# Altium PCB DM3370.PcbDoc (part 7 of 9) (continued)
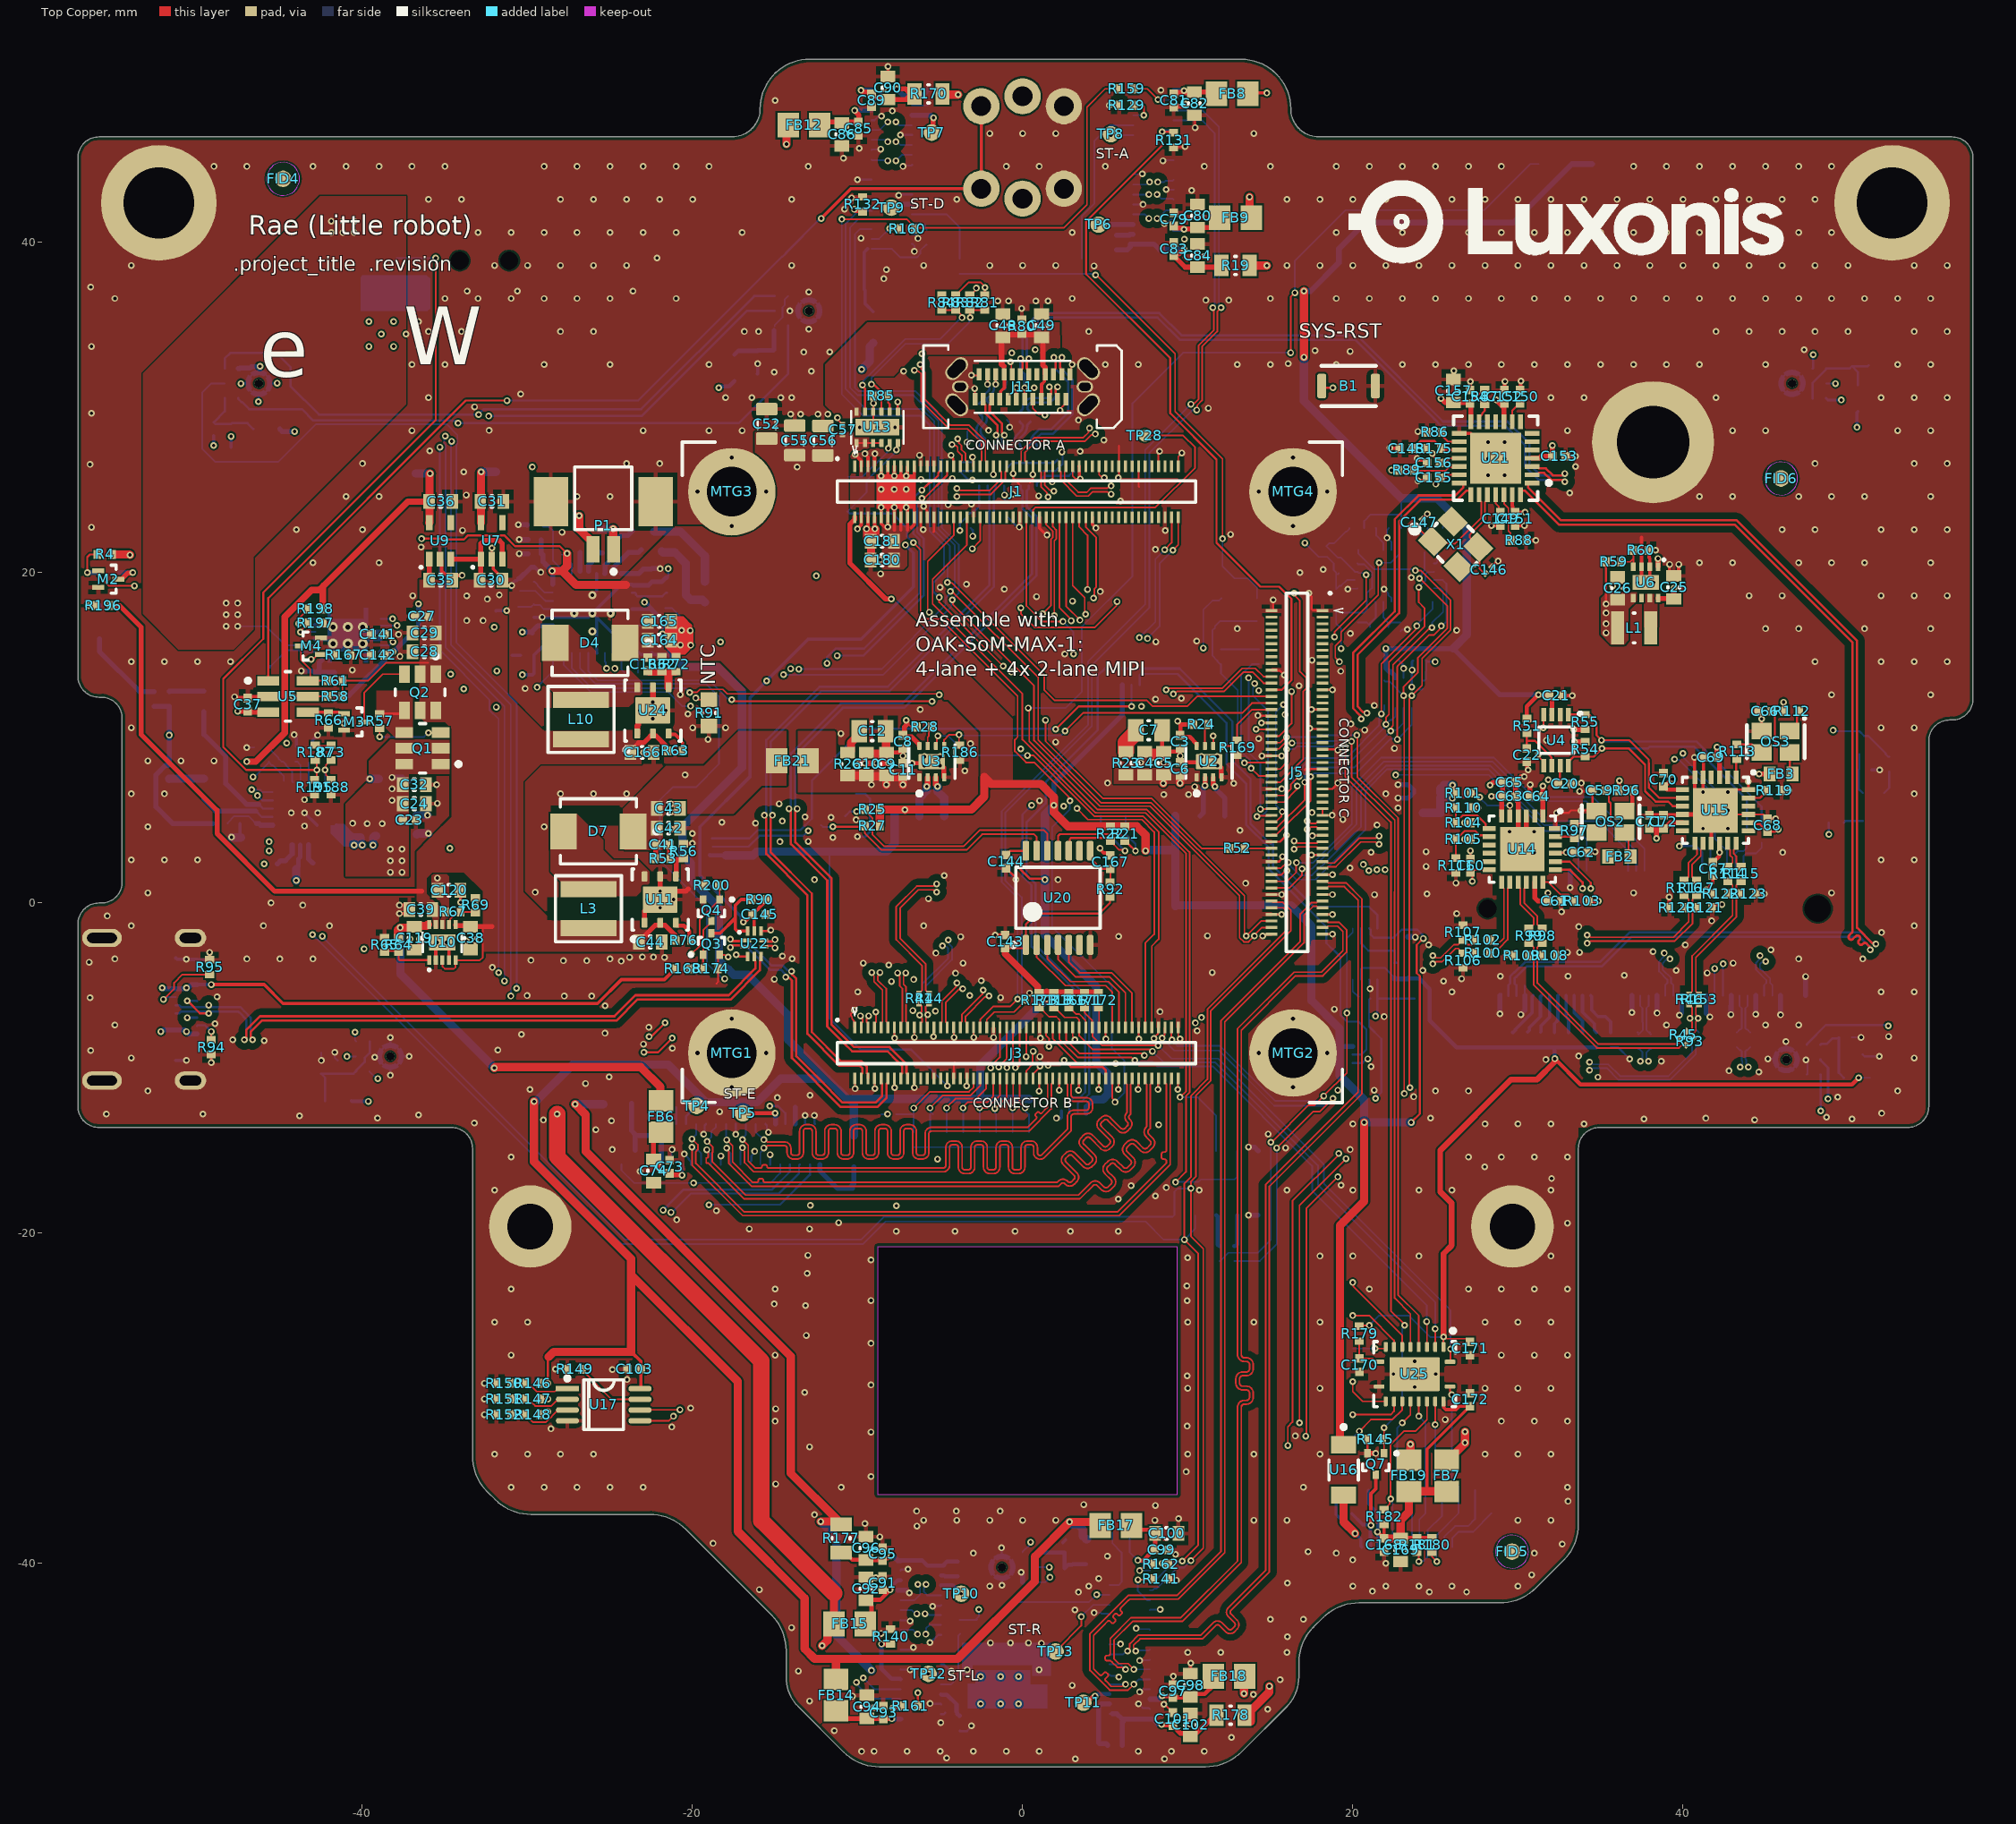
[diagram p0: Top Copper view]
## Nets (pads, with @x,y where several pads share a name; then routed paths per layer and width w, separated by ;. In a path a pad name is that pad's centre, name@x,y a point inside that pad or via, vN(x,y) a via of type N, cw(c..) or ccw(c..) an arc to the next point about the centre after c; other vN are vias at no path point) (continued)
NetR147_1: R147.1 R151.2 U17.2 | length 3.8
  Top Copper w0.102: R151.2@-30.975,-30.05 R147.1@-30.125,-30.05 -30.125,-30.1 -29.951,-30.274 -29.727,-30.274 -29.524,-30.478 -28.553,-30.478 U17.2@-28.1,-30.025 ; U17.2@-28.1,-30.075 U17.2@-27.575,-30.075
NetR148_1: R148.1 R152.2 U17.3 | length 3.9
  Top Copper w0.102: R152.2@-30.975,-31 R148.1@-30.125,-31 -30.125,-31.05 -29.951,-31.224 -29.901,-31.224 -29.675,-31.45 -28.875,-31.45 -28.614,-31.189 -28.606,-31.189 -28.397,-30.981 -28.397,-30.972 -28.15,-30.725 U17.3@-27.575,-30.725
NetR149_2: R149.2 U17.7 | length 4.3
  Top Copper w0.102: R149.2@-26.675,-28.25 -26.675,-28.3 -24.9,-30.075 U17.7@-23.175,-30.075
NetR158_1: R158.1 U23.4 | length 1.2
  Bottom Copper w0.102: U23.4@20,-4.65 20,-5.358 20.317,-5.675 R158.1@20.367,-5.675
NetR163_2: R163.2 U19.15 | length 1.4
  Bottom Copper w0.102: R163.2@-29.607,19.437 -29.557,19.437 -29.383,19.263 -29.383,19.213 -28.96,18.789 U19.15@-28.46,18.789
NetR164_2: R164.2 U19.14 | length 2.2
  Bottom Copper w0.102: R164.2@-30.457,18.887 -29.507,18.887 -29.057,18.437 -28.907,18.287 U19.14@-28.457,18.287
NetR165_2: R165.2 U19.26 | length 2.3
  Bottom Copper w0.127: U19.26@-23.657,18.787 -23.482,18.787 -23.421,18.725 -23.421,18.651 -23.342,18.572 -21.822,18.572 -21.607,18.787 R165.2@-21.557,18.787
NetR190_2: R190.2 U8.10 | length 1.1
  Bottom Copper w0.102: U8.10@-43.25,7.385 R190.2@-43.25,8.5
NetR197_2: R197.2 U18.10 | length 1.6
  Top Copper w0.102: v1(-43.75,16.4) -43.75,16.45 -43.474,16.726 -43.474,16.776 R197.2@-43.3,16.95
  Bottom Copper w0.102: v1(-43.75,16.4) U18.10@-42.85,16.4
NetTP25_1: TP25.1 U13.5 | length 3.6
  Top Copper w0.102: v1(-8.138,27.523) -8.08,27.581 -8.08,27.663 -8.05,27.693 U13.5@-8.05,27.85
  Bottom Copper w0.102: TP25.1@-10.6,25.8 -9.7,25.8 -8.196,27.304 -8.196,27.465 v1(-8.138,27.523)
NetTP36_1: TP36.1 U25.7 | length 5.1
  Top Copper w0.102: v1(20,-23) 20.05,-23.05 20.05,-23.25 23,-26.2 U25.7@23,-26.9
NetTP37_1: TP37.1 U25.14 | length 4.8
  Top Copper w0.102: v1(20.4,-32) 21.1,-31.3 22.4,-31.3 23,-30.7 U25.14@23,-30.2
  Bottom Copper w0.102: TP37.1@20,-33 20.01,-32.99 20.01,-32.39 v1(20.4,-32)
NetTP38_1: TP38.1 U25.8 | length 3.5
  Top Copper w0.102: v1(20,-25) 21,-25 22.5,-26.5 U25.8@22.5,-26.9
NetTP39_1: TP39.1 U25.13 | length 3.2
  Top Copper w0.102: v1(20,-31) 22.3,-31 22.5,-30.8 U25.13@22.5,-30.2
NetTP40_1: TP40.1 U25.9 | length 2.1
  Top Copper w0.102: v1(21.352,-27) 21.932,-27 22,-26.932 U25.9@22,-26.9
  Bottom Copper w0.102: TP40.1@20,-27 v1(21.352,-27)
NetTP41_1: TP41.1 U25.12 | length 2.8
  Top Copper w0.102: v1(20,-29) 20,-29.6 20.6,-30.2 U25.12@22,-30.2
NTC_2: R73.2 R91.2 R188.2 U8.12 | length 29
  Top Copper w0.102: R188.2@-41.9,7.45 -41.95,7.45 -42.124,7.624 -42.124,7.674 -42.201,7.751 -42.201,7.984 v1(-42.26,8.042) -42.201,8.1 -42.201,8.349 -42.124,8.426 -42.124,8.476 -41.95,8.65 R73.2@-41.9,8.65 ; v1(-19.8,12.4) -19.718,12.4 -19.618,12.3 R91.2@-19,12.3
  PWR w0.102: v1(-42.26,8.042) -41.6,8.701 -41.6,11.2 -40.308,12.492 -22.628,12.492 -22.567,12.553 -21.344,12.553 -21.046,12.255 -20.272,12.255 -20.149,12.378 -19.822,12.378 v1(-19.8,12.4)
  Bottom Copper w0.102: v1(-42.26,8.042) -42.255,8.037 -42.255,7.39 U8.12@-42.25,7.385
NTC_BAT: J2.2 R187.1 R195.2 U8.11 | length 45.7
  Top Copper w0.102: R195.2@-42.9,7.45 -42.755,7.595 v1(-42.755,8.045) -42.755,8.555 R187.1@-42.85,8.65
  Top Copper w0.127: v1(-42.755,8.045) -47.034,8.045 -48.421,9.431 -48.421,13.564 -46,15.985 -46,18.796 -35.55,29.246 v1(-35.55,39.05)
  Bottom Copper w0.102: v1(-42.755,8.045) -42.752,8.042 -42.752,7.387 U8.11@-42.75,7.385 ; J2.2@-38.05,38.9 -37.9,39.05 v1(-35.55,39.05)
OE_DIFF0: R101.2 U14.5 | length 3.4
  Top Copper w0.102: R101.2@27.172,6.7 27.24,6.632 27.468,6.632 v1(27.7,6.4) ; U14.5@29.525,5.25 v1(29.525,5.899)
  Bottom Copper w0.102: v1(27.7,6.4) 27.7,6.35 28.151,5.899 v1(29.525,5.899)
OE_DIFF1: R103.2 U14.18 | length 2.4
  Top Copper w0.102: U14.18@31.525,1.25 31.85,1.25 32.587,0.513 33.058,0.513 33.247,0.324 33.251,0.324 33.425,0.15 R103.2@33.425,0.1
OS_EN: OS2.1 R96.1 | length 1.5
  Top Copper w0.254: OS2.1@36.475,5.55 36.575,5.55 36.948,5.923 36.948,6.723 R96.1@37.025,6.8
OS_OUT: OS2.3 R97.1 | length 1.6
  Top Copper w0.127: R97.1@33.425,4.8 33.875,4.8 34.059,4.616 34.409,4.616 OS2.3@34.775,4.25
OS_VIN: C59.1 FB2.1 OS2.4 | length 4.6
  Top Copper w0.127: C59.1@35.325,6.8 35.522,6.603 35.522,6.137 35.625,6.033 35.625,5 36.375,4.25 OS2.4@36.475,4.25 36.715,4.01 FB2.1@36.715,2.85
OTG: R189.2 R191.2 U8.8 | length 2.8
  Bottom Copper w0.102: R191.2@-45.65,9.4 -45.65,9.35 -45.074,8.774 -45.074,8.724 -44.9,8.55 R189.2@-44.85,8.55 -44.8,8.55 -44.626,8.376 -44.626,8.326 -44.258,7.958 -44.258,7.358 U8.8@-44.2,7.3
P_CC1: J12.A5 R94.2 | length 1.5
  Top Copper w0.102: R94.2@-49.15,-8.3 v1(-49.15,-7.8)
  Bottom Copper w0.127: J12.A5@-50,-7.45 -49.966,-7.416 -49.534,-7.416 v1(-49.15,-7.8)
P_CC2: J12.B5 R95.2 | length 4.4
  Top Copper w0.102: v1(-52.05,-5.85) -51.4,-5.2 -51.4,-4.85 -50.9,-4.35 R95.2@-49.25,-4.35
  Bottom Copper w0.102: v1(-52.05,-5.85) -51.968,-5.85 -51.818,-5.7 J12.B5@-51.3,-5.7
P_USB_D_N: J12.A7 J12.B7 U22.4 | length 41.9
  Top Copper w0.14: v1@-50.55,-5.95 -50.55,-5.991 -49.843,-6.698 v1(-49.3,-6.698) ; v1(-47.145,-8.3) -47.031,-8.186 -47.031,-7.704 -46.199,-6.872 -24.722,-6.872 -23.45,-5.6 -17.8,-5.6 -16.183,-3.983 -16.183,-3.544 -16.207,-3.52 -16.207,-3.293 U22.4@-16.25,-3.25
  Bottom Copper w0.14: J12.B7@-51.3,-6.7 -51.1,-6.7 -50.984,-6.584 -50.425,-6.584 -49.414,-6.584 v1(-49.3,-6.698) -49.228,-6.698 -49.114,-6.584 -47.516,-6.584 -47.458,-6.642 -47.031,-7.069 -47.031,-8.114 -47.145,-8.228 v1(-47.145,-8.3) ; v1(-50.599,-5.942) -50.595,-5.946 -50.004,-5.946 J12.A7@-50,-5.95
P_USB_D_P: J12.A6 J12.B6 U22.5 | length 42.3
  Top Copper w0.14: v1(-46.65,-8.3) -46.764,-8.186 -46.764,-7.814 -46.089,-7.139 -24.611,-7.139 -23.339,-5.867 -17.689,-5.867 -15.916,-4.094 -15.916,-3.544 -15.893,-3.52 -15.893,-3.293 U22.5@-15.85,-3.25
  Signal Layer 1 w0.102: v1@-50.592,-6.95 -49.844,-6.202 v1(-49.3,-6.202)
  Bottom Copper w0.14: J12.B6@-51.3,-6.2 -51.1,-6.2 -50.984,-6.317 -50.535,-6.317 -49.414,-6.317 v1(-49.3,-6.202) -49.228,-6.202 -49.114,-6.317 -47.406,-6.317 -47.161,-6.561 -46.764,-6.958 -46.764,-8.114 -46.65,-8.228 v1(-46.65,-8.3) ; v1(-50.6,-6.958) -50.596,-6.954 -50.004,-6.954 J12.A6@-50,-6.95
P_VBUS: C139.1 J10.1 J12.A4 J12.A9 J12.B4 J12.B9 R168.1 TP43.1 U8.1 U8.24 | length 40.7
  Top Copper w0.2: v1(-49.15,-4.95) -45.95,-4.95 -44.8,-6.1 -25.75,-6.1 -24.3,-4.65 -21.7,-4.65 R168.1@-21.05,-4
  PWR w0.3: v1(-52.2,-7.8) v1(-50.65,-7.8) ; v1@-52.114,-5.155 v1@-50.655,-5.155
  GND 2 w0.3: v1(-52.2,-7.8) v1(-50.65,-7.8) ; v1(-52.119,-5.159) -52.114,-5.155 -50.655,-5.155 v1(-50.65,-5.15)
  Bottom Copper w0.2: J12.A9@-50,-4.95 v1(-49.15,-4.95)
  Bottom Copper w0.3: v1@-52.15,-5.2 J12.B4@-51.3,-5.2 -50.606,-5.2 -50.356,-4.95 J12.A9@-50,-4.95 ; v1@-52.05,-7.7 J12.B9@-51.3,-7.7 -50.75,-7.7 v1(-50.65,-7.8) -50.5,-7.95 J12.A4@-50,-7.95
  other v1: -2.542,-48.521 -1.333,-48.521 -0.242,-48.521 -2.542,-46.871 -1.333,-46.871 -0.242,-46.871 -45.95,2.35 -45.65,3.15 -45.65,3.7
PCIe1_KB_CLK_GEN_N: R102.1 U14.13 | length 4.6
  Top Copper w0.101: R102.1@28.325,-2.25 28.5,-2.424 28.5,-2.477 28.559,-2.536 28.767,-2.536 29.161,-2.142 29.161,0.864 29.025,1 U14.13@29.025,1.25
PCIe1_KB_CLK_GEN_P: R100.1 U14.14 | length 5
  Top Copper w0.101: R100.1@28.325,-3.05 28.5,-2.875 28.5,-2.823 28.559,-2.764 28.861,-2.764 29.389,-2.236 29.389,0.864 29.525,1 U14.14@29.525,1.25
PCIe1_KB_CLK_IN_N: R42.1 R102.2 R107.2 | length 37.4
  Top Copper w0.101: v1(24.85,-3.205) 24.928,-3.205 25.062,-3.338 25.327,-3.338 26.129,-2.536 26.391,-2.536 26.451,-2.477 26.451,-2.424 26.625,-2.25 R107.2@26.675,-2.25 26.725,-2.25 26.9,-2.424 26.9,-2.477 26.959,-2.536 27.191,-2.536 27.25,-2.477 27.25,-2.424 R102.2@27.425,-2.25
  PWR w0.101: v1(-4.5,-2.25) -4.441,-2.308 -4.441,-2.474 -4.276,-2.639 23.608,-2.639 24.291,-3.322 24.65,-3.322 24.767,-3.205 v1(24.85,-3.205)
  Bottom Copper w0.101: R42.1@-5.675,-5.5 -5.8,-5.376 -5.802,-5.376 -5.861,-5.316 -5.861,-5.033 -4.277,-3.449 -4.277,-2.662 -4.444,-2.494 -4.444,-2.305 v1(-4.5,-2.25)
PCIe1_KB_CLK_IN_P: R40.1 R100.2 R106.1 | length 37.5
  Top Copper w0.101: v1(24.85,-3.7) 24.928,-3.7 25.062,-3.566 25.422,-3.566 26.224,-2.764 26.391,-2.764 26.451,-2.823 26.451,-2.875 26.625,-3.05 R106.1@26.675,-3.05 26.725,-3.05 26.9,-2.875 26.9,-2.823 26.959,-2.764 27.191,-2.764 27.25,-2.823 27.25,-2.875 R100.2@27.425,-3.05
  PWR w0.101: v1(-4.85,-2.6) -4.792,-2.658 -4.626,-2.658 -4.384,-2.9 23.5,-2.9 24.183,-3.583 24.65,-3.583 24.767,-3.7 v1(24.85,-3.7)
  Bottom Copper w0.101: R40.1@-6.275,-5.5 -6.15,-5.376 -6.148,-5.376 -6.089,-5.316 -6.089,-4.939 -4.505,-3.355 -4.505,-2.756 -4.606,-2.655 -4.795,-2.655 v1(-4.85,-2.6)
PCIe1_WIFI_CLK_GEN_N: R99.1 U14.15 | length 3.2
  Top Copper w0.101: U14.15@30.025,1.156 30.025,1 30.161,0.864 30.161,-0.108 30.961,-0.908 30.961,-1.316 30.902,-1.376 30.85,-1.376 R99.1@30.675,-1.55
PCIe1_WIFI_CLK_GEN_P: R98.1 U14.16 | length 3.3
  Top Copper w0.101: U14.16@30.525,1.25 30.525,1 30.389,0.864 30.389,-0.014 31.189,-0.814 31.189,-1.316 31.248,-1.376 31.301,-1.376 R98.1@31.475,-1.55
PCIe1_WIFI_CLK_IN_N: R93.1 R99.2 R109.2 | length 13.8
  Top Copper w0.101: R99.2@30.675,-2.45 30.85,-2.625 30.902,-2.625 30.961,-2.684 30.961,-2.916 30.902,-2.976 30.85,-2.976 30.675,-3.15 R109.2@30.675,-3.2 30.675,-3.25 30.85,-3.425 30.902,-3.425 30.961,-3.484 30.961,-4.958 34.793,-8.79 39.771,-8.79 39.949,-8.612 R93.1@40.188,-8.612
PCIe1_WIFI_CLK_IN_P: R45.1 R98.2 R108.2 | length 13.3
  Top Copper w0.101: R98.2@31.475,-2.45 31.301,-2.625 31.248,-2.625 31.189,-2.684 31.189,-2.916 31.248,-2.976 31.301,-2.976 31.475,-3.15 R108.2@31.475,-3.2 31.475,-3.25 31.301,-3.425 31.248,-3.425 31.189,-3.484 31.189,-4.864 34.887,-8.562 39.676,-8.562 39.788,-8.451 R45.1@39.788,-8.212
PCIe2_KB_CLK_GEN_N: R117.1 U15.14 | length 2.7
  Top Copper w0.101: R117.1@40.825,1.35 40.775,1.35 40.564,1.561 40.564,2.319 41.089,2.844 41.089,3.214 41.225,3.35 U15.14@41.225,3.6
PCIe2_KB_CLK_GEN_P: R116.1 U15.13 | length 2.7
  Top Copper w0.101: R116.1@40.075,1.35 40.125,1.35 40.336,1.561 40.336,2.414 40.861,2.939 40.861,3.214 40.725,3.35 U15.13@40.725,3.6
PCIe2_KB_CLK_IN_N: R44.1 R117.2 R121.2 | length 58.9
  Top Copper w0.101: R44.1@-5.675,-5.5 -5.8,-5.376 -5.802,-5.376 -5.861,-5.316 -5.861,-3.706 -7.422,-2.145 -7.422,-0.322 -6.316,0.784 -5.412,0.784 -5.389,0.761 -5.278,0.65 v1(-5.2,0.65) ; v1(34.2,-2.45) 34.278,-2.45 34.412,-2.316 39.518,-2.316 40.589,-1.245 40.589,-0.584 40.648,-0.524 40.701,-0.524 40.875,-0.35 R121.2@40.875,-0.3 40.875,-0.25 40.701,-0.075 40.648,-0.075 40.589,-0.016 40.589,0.216 40.601,0.228 40.601,0.275 40.775,0.45 R117.2@40.825,0.45
  PWR w0.101: v1(-5.2,0.65) -5.142,0.708 -4.876,0.708 -4.818,0.767 -4.717,0.767 -4.388,0.439 13.977,0.439 14.513,0.975 25.306,0.975 28.614,-2.333 34,-2.333 34.117,-2.45 v1(34.2,-2.45)
PCIe2_KB_CLK_IN_P: R41.1 R116.2 R120.1 | length 58.9
  Top Copper w0.101: R41.1@-6.275,-5.5 -6.15,-5.376 -6.148,-5.376 -6.089,-5.316 -6.089,-3.8 -7.65,-2.239 -7.65,-0.228 -6.411,1.012 -5.412,1.012 -5.278,1.145 v1(-5.2,1.145) ; v1(34.2,-1.955) 34.278,-1.955 34.412,-2.088 39.424,-2.088 40.361,-1.151 40.361,-0.584 40.302,-0.524 40.25,-0.524 40.075,-0.35 R120.1@40.075,-0.3 40.075,-0.25 40.25,-0.075 40.302,-0.075 40.361,-0.016 40.361,0.214 40.125,0.45 R116.2@40.075,0.45
  PWR w0.101: v1(-5.2,1.145) -4.726,1.145 -4.28,0.7 13.869,0.7 14.405,1.236 25.414,1.236 28.722,-2.072 34,-2.072 34.117,-1.955 v1(34.2,-1.955)
PCIe2_WIFI_CLK_GEN_N: R115.1 U15.18 | length 1.7
  Top Copper w0.101: U15.18@43.225,3.6 43.225,3.35 43.089,3.214 43.089,2.971 43.239,2.821 43.239,2.434 43.298,2.375 43.35,2.375 R115.1@43.525,2.2
PCIe2_WIFI_CLK_GEN_P: R114.1 U15.17 | length 1.7
  Top Copper w0.101: R114.1@42.725,2.2 42.899,2.375 42.952,2.375 43.011,2.434 43.011,2.726 42.861,2.876 42.861,3.214 42.725,3.35 U15.17@42.725,3.6
PCIe2_WIFI_CLK_IN_N: R115.2 R123.2 R153.1 | length 8.4
  Top Copper w0.101: R153.1@40.975,-5.55 40.85,-5.426 40.848,-5.426 40.789,-5.366 40.789,-3.311 43.239,-0.861 43.239,0.266 43.298,0.326 43.351,0.326 43.525,0.5 R123.2@43.525,0.55 43.525,0.6 43.351,0.775 43.298,0.775 43.239,0.834 43.239,1.066 43.298,1.125 43.35,1.125 R115.2@43.525,1.3
PCIe2_WIFI_CLK_IN_P: R46.1 R114.2 R122.2 | length 8.4
  Top Copper w0.101: R46.1@40.375,-5.55 40.499,-5.426 40.502,-5.426 40.561,-5.366 40.561,-3.217 43.011,-0.767 43.011,0.266 42.952,0.326 42.9,0.326 42.725,0.5 R122.2@42.725,0.55 42.725,0.6 42.9,0.775 42.952,0.775 43.011,0.834 43.011,1.066 42.952,1.125 42.899,1.125 R114.2@42.725,1.3
PCIe_3V3_CLKREQ: J1.66 J9.53 | length 61
  Top Copper w0.102: J1.66@2.632,23.359 2.632,17.968 v1(3.481,17.119)
  PWR w0.102: v1(3.481,17.119) 30.343,17.119 36.9,10.562 36.9,1.45 41.925,-3.575 v1(41.925,-3.975)
  Bottom Copper w0.102: J9.53@41.925,-5.625 v1(41.925,-3.975)
PCIe_3V3_PERST: J1.64 J9.52 | length 55.3
  Top Copper w0.102: J1.64@2.232,23.359 2.232,22.676 2.239,22.669 2.239,17.871 2.943,17.167 v1(2.943,17.085)
  PWR w0.102: v1(2.943,17.085) 2.943,17.146 3.404,17.607 3.455,17.607 3.678,17.83 3.973,17.83 4.196,17.607 30.955,17.607 39.5,9.062 v1(39.5,8.7)
  Bottom Copper w0.102: v1(39.5,8.7) 39.538,8.662 39.767,8.662 41.581,6.847 41.581,6.842 41.675,6.748 J9.52@41.675,1.925
PCIe_3V3_PEWAKE0: J1.68 J9.55 | length 60.9
  Top Copper w0.102: J1.68@3.032,23.359 3.032,19.214 3.769,18.478 3.769,17.532 v1(3.826,17.475)
  PWR w0.102: v1(3.826,17.475) 3.908,17.475 4.038,17.344 30.613,17.344 37.35,10.607 37.35,1.4 v1(42.45,-3.7)
  Bottom Copper w0.102: J9.55@42.425,-5.625 42.437,-5.613 42.437,-3.712 v1(42.45,-3.7)
PCIE_CLK_N: J3.23 R42.2 R44.2 | length 2.5
  Top Copper w0.101: J3.23@-5.768,-7.561 -5.768,-7.301 -5.854,-7.215 -5.854,-6.974 -5.744,-6.864 v1(-5.744,-6.781) -5.744,-6.703 -5.877,-6.569 -5.877,-6.3 -5.802,-6.225 -5.8,-6.225 R44.2@-5.675,-6.1
  Bottom Copper w0.101: v1(-5.744,-6.781) -5.744,-6.703 -5.877,-6.569 -5.877,-6.3 -5.802,-6.225 -5.8,-6.225 R42.2@-5.675,-6.1
PCIE_CLK_P: J3.21 R40.2 R41.2 | length 2.5
  Top Copper w0.101: R41.2@-6.275,-6.1 -6.105,-6.27 -6.105,-6.589 -6.239,-6.722 v1(-6.239,-6.801) -6.239,-6.856 -6.082,-7.013 -6.082,-7.215 -6.168,-7.301 J3.21@-6.168,-7.561
  Bottom Copper w0.101: R40.2@-6.275,-6.1 -6.105,-6.27 -6.105,-6.589 -6.239,-6.722 v1(-6.239,-6.801)
PCIE_CRX0_N: J3.11 J9.43 | length 58.6
  Top Copper w0.101: v1(-8.639,-4.221) -8.639,-4.299 -8.772,-4.433 -8.772,-4.68 -8.254,-5.199 -8.254,-7.215 -8.168,-7.301 J3.11@-8.168,-7.561
  PWR w0.101: v1(-8.639,-4.221) -8.639,-4.139 -8.756,-4.021 -8.756,-3.428 -5.827,-0.5 14.389,-0.5 14.658,-0.231 24.656,-0.231 28.236,-3.811 37.5,-3.811 37.905,-3.811 cw(c37.905,-3.917) 38.011,-3.917 38.011,-3.981 ccw(c38.118,-3.981) 38.118,-4.087 38.259,-4.087 ccw(c38.259,-3.981) 38.366,-3.981 38.366,-3.917 cw(c38.472,-3.917) 38.472,-3.811 38.648,-3.811 38.85,-3.609 39.001,-3.458 39.167,-3.458 v1(39.225,-3.4)
  Bottom Copper w0.101: v1(39.225,-3.4) 39.17,-3.455 38.981,-3.455 38.784,-3.652 38.784,-4.059 39.289,-4.564 39.289,-4.864 39.425,-5 J9.43@39.425,-5.625
PCIE_CRX0_P: J3.9 J9.41 | length 58.6
  Top Copper w0.101: v1(-9.134,-4.221) -9.134,-4.299 -9,-4.433 -9,-4.775 -8.482,-5.293 -8.482,-7.215 -8.568,-7.301 J3.9@-8.568,-7.561
  PWR w0.101: v1(-9.134,-4.221) -9.134,-4.139 -9.017,-4.021 -9.017,-3.32 -5.936,-0.239 14.281,-0.239 14.55,0.03 24.764,0.03 28.344,-3.55 37.5,-3.55 38.54,-3.55 38.816,-3.274 38.816,-3.108 v1(38.875,-3.05)
  Bottom Copper w0.101: v1(38.875,-3.05) 38.819,-3.105 38.819,-3.294 38.556,-3.557 38.556,-4.154 39.061,-4.658 39.061,-4.864 38.925,-5 J9.41@38.925,-5.625
PCIE_CRX1_N: J3.17 J9.67 | length 62.8
  Top Copper w0.101: v1(-7.075,-4.25) -7.075,-4.328 -7.209,-4.462 -7.209,-4.944 -7.054,-5.099 -7.054,-7.215 -6.968,-7.301 J3.17@-6.968,-7.561
  PWR w0.101: v1(-7.075,-4.25) -7.075,-4.167 -7.192,-4.05 -7.192,-3.576 -5.042,-1.426 24.504,-1.426 28.539,-5.461 42.949,-5.461 43.705,-4.705 43.991,-4.419 cw(c44.066,-4.494) 44.142,-4.419 44.187,-4.464 ccw(c44.262,-4.388) 44.337,-4.464 44.437,-4.363 ccw(c44.362,-4.288) 44.437,-4.213 44.392,-4.168 cw(c44.467,-4.093) 44.392,-4.018 44.68,-3.73 44.801,-3.609 44.967,-3.609 v1(45.025,-3.55)
  Bottom Copper w0.101: v1(45.025,-3.55) 44.97,-3.606 44.781,-3.606 44.67,-3.717 44.67,-3.971 45.289,-4.59 45.289,-4.864 45.425,-5 J9.67@45.425,-5.625
PCIE_CRX1_P: J3.15 J9.65 | length 62.8
  Top Copper w0.101: v1(-7.57,-4.25) -7.57,-4.328 -7.437,-4.462 -7.437,-5.038 -7.282,-5.193 -7.282,-7.215 -7.368,-7.301 J3.15@-7.368,-7.561
  PWR w0.101: v1(-7.57,-4.25) -7.57,-4.167 -7.453,-4.05 -7.453,-3.468 -5.15,-1.165 24.612,-1.165 28.647,-5.2 42.841,-5.2 44.617,-3.424 44.617,-3.258 v1(44.675,-3.2)
  Bottom Copper w0.101: v1(44.675,-3.2) 44.62,-3.255 44.62,-3.444 44.442,-3.622 44.442,-4.066 45.061,-4.685 45.061,-4.864 44.925,-5 J9.65@44.925,-5.625
PCIE_CTX0_N: J3.27 R38.1 | length 49.8
  Top Copper w0.101: J3.27@-4.968,-7.561 -4.968,-7.301 -4.882,-7.215 -4.882,-5.946 -4.031,-5.094 -4.031,-4.905 v1(-3.975,-4.85)
  PWR w0.101: v1(-3.975,-4.85) -3.917,-4.791 -3.751,-4.791 -2.549,-3.589 23.064,-3.589 26.965,-7.49 37.215,-7.49 37.803,-8.078 37.803,-9.4 37.92,-9.517 v1(37.92,-9.6)
  Bottom Copper w0.101: v1(37.92,-9.6) 37.92,-9.522 37.787,-9.388 37.787,-9.088 38.025,-8.85 R38.1@38.075,-8.85
PCIE_CTX0_P: J3.29 R37.1 | length 49.8
  Top Copper w0.101: J3.29@-4.568,-7.561 -4.568,-7.301 -4.654,-7.215 -4.654,-6.04 -3.869,-5.255 -3.68,-5.255 v1(-3.625,-5.2)
  PWR w0.101: v1(-3.625,-5.2) -3.567,-5.142 -3.567,-4.976 -2.441,-3.85 22.956,-3.85 26.857,-7.751 37.107,-7.751 37.356,-8 37.542,-8.186 37.542,-8.352 cw(c37.436,-8.352) 37.436,-8.458 37.149,-8.458 ccw(c37.149,-8.564) 37.043,-8.564 37.043,-8.706 ccw(c37.149,-8.706) 37.149,-8.812 37.436,-8.812 cw(c37.436,-8.919) 37.542,-8.919 37.542,-9.15 37.542,-9.4 37.425,-9.517 v1(37.425,-9.6)
  Bottom Copper w0.101: R37.1@37.297,-8.851 37.347,-8.851 37.559,-9.062 37.559,-9.388 37.425,-9.522 v1(37.425,-9.6)
PCIE_CTX1_N: J3.33 R50.1 | length 54.8
  Top Copper w0.101: J3.33@-3.768,-7.561 -3.768,-7.301 -3.682,-7.215 -3.682,-6.785 -2.436,-5.539 -2.436,-5.35 v1(-2.381,-5.294)
  PWR w0.101: v1(-2.381,-5.294) -2.322,-5.236 -2.157,-5.236 -1.51,-4.589 22.564,-4.589 26.563,-8.588 34.935,-8.588 36.869,-10.521 39.184,-10.521 40.83,-8.876 43.402,-8.876 43.858,-9.332 43.858,-9.75 43.975,-9.867 v1(43.975,-9.95)
  Bottom Copper w0.101: v1(43.975,-9.95) 43.975,-9.872 43.841,-9.738 43.841,-9.501 43.789,-9.449 43.789,-8.984 43.848,-8.925 43.901,-8.925 R50.1@44.075,-8.75
PCIE_CTX1_P: J3.35 R48.1 | length 54.6
  Top Copper w0.101: J3.35@-3.368,-7.561 -3.368,-7.301 -3.454,-7.215 -3.454,-6.879 -2.275,-5.7 -2.086,-5.7 v1(-2.03,-5.645)
  PWR w0.101: v1(-2.03,-5.645) -1.972,-5.586 -1.972,-5.42 -1.402,-4.85 -0.7,-4.85 -0.346,-4.85 cw(c-0.346,-4.951) -0.245,-4.951 -0.245,-5.013 ccw(c-0.154,-5.013) -0.154,-5.104 -0.032,-5.104 ccw(c-0.032,-5.013) 0.059,-5.013 0.059,-4.951 cw(c0.16,-4.951) 0.16,-4.85 0.55,-4.85 22.456,-4.85 26.455,-8.849 34.827,-8.849 36.761,-10.782 39.293,-10.782 40.938,-9.137 42.25,-9.137 42.604,-9.137 cw(c42.604,-9.238) 42.705,-9.238 42.705,-9.3 ccw(c42.796,-9.3) 42.796,-9.391 42.918,-9.391 ccw(c42.918,-9.3) 43.009,-9.3 43.009,-9.238 cw(c43.11,-9.238) 43.11,-9.137 43.294,-9.137 43.4,-9.243 43.597,-9.44 43.597,-9.75 43.48,-9.867 v1(43.48,-9.95)
  Bottom Copper w0.101: R48.1@43.275,-8.75 43.45,-8.925 43.502,-8.925 43.561,-8.984 43.561,-9.543 43.613,-9.595 43.613,-9.738 43.48,-9.872 v1(43.48,-9.95)
PCIe_PERST: J5.74 R52.2 | length 1.6
  Top Copper w0.102: R52.2@13.45,3.299 J5.74@15.092,3.299
PCIE_RC_REF_CLK_N: J3.5 R77.1 | length 56.7
  Top Copper w0.101: J3.5@-9.368,-7.561 -9.368,-7.301 -9.454,-7.215 -9.454,-7.059 -9.325,-6.93 v1(-9.325,-6.85)
  PWR w0.101: v1(-9.325,-6.85) -9.325,-6.767 -9.442,-6.65 -9.442,-6.436 -8.853,-5.847 -5.053,-5.847 -4.039,-6.861 4.789,-6.861 5.75,-5.9 22.025,-5.9 26.87,-10.744 32.775,-10.744 33.491,-10.028 34.15,-10.028 34.267,-10.145 v1(34.35,-10.145)
  Bottom Copper w0.101: v1(34.35,-10.145) 34.428,-10.145 34.562,-10.012 35.389,-10.012 36.106,-10.728 39.219,-10.728 40.789,-9.158 40.789,-8.634 40.848,-8.575 40.85,-8.575 R77.1@40.975,-8.45
PCIE_RC_REF_CLK_P: J3.3 R75.1 | length 56.8
  Top Copper w0.101: v1(-9.82,-6.85) -9.82,-6.921 -9.682,-7.059 -9.682,-7.215 -9.768,-7.301 J3.3@-9.768,-7.561
  PWR w0.101: v1(-9.82,-6.85) -9.82,-6.767 -9.703,-6.65 -9.703,-6.328 -8.961,-5.586 -4.945,-5.586 -3.931,-6.6 4.681,-6.6 5.642,-5.639 22.133,-5.639 26.978,-10.483 32.667,-10.483 33.383,-9.767 34.15,-9.767 34.267,-9.65 v1(34.35,-9.65)
  Bottom Copper w0.101: v1(34.35,-9.65) 34.428,-9.65 34.562,-9.784 35.484,-9.784 36.2,-10.5 39.125,-10.5 40.561,-9.064 40.561,-8.634 40.502,-8.575 40.5,-8.575 R75.1@40.375,-8.45
PCIe_W_CLK_IN_N: J9.49 R77.2 R93.2 R153.2 | length 4.7
  Top Copper w0.101: R93.2@40.612,-8.188 40.612,-8.074 cw(c40.914,-8.074) 40.625,-7.988 cw(c40.914,-8.074) 40.701,-7.861 ccw(c40.487,-7.647) 40.789,-7.647 40.789,-7.212 40.923,-7.078 v1(40.923,-7) 40.923,-6.922 40.789,-6.788 40.789,-6.334 40.848,-6.275 40.85,-6.275 R153.2@40.975,-6.15
  Bottom Copper w0.101: J9.49@40.925,-5.625 40.925,-6.25 40.789,-6.386 40.789,-6.788 40.923,-6.922 v1(40.923,-7) 40.923,-7.078 40.789,-7.212 40.789,-7.666 40.848,-7.726 40.85,-7.726 R77.2@40.975,-7.85
PCIe_W_CLK_IN_P: J9.47 R45.2 R46.2 R75.2 | length 4.6
  Top Copper w0.101: R45.2@40.212,-7.788 40.373,-7.788 ccw(c40.373,-7.6) 40.506,-7.733 ccw(c40.373,-7.6) 40.561,-7.6 40.561,-7.212 40.427,-7.078 v1(40.427,-7) 40.427,-6.922 40.561,-6.788 40.561,-6.334 40.502,-6.275 40.499,-6.275 R46.2@40.375,-6.15 ; R46.2@40.325,-6.15 R46.2@40.35,-6.175
  Bottom Copper w0.101: R75.2@40.375,-7.85 40.5,-7.726 40.502,-7.726 40.561,-7.666 40.561,-7.212 40.427,-7.078 v1(40.427,-7) 40.427,-6.922 40.561,-6.788 40.561,-6.386 40.425,-6.25 J9.47@40.425,-5.625
PET0_N: J9.37 R38.2 | length 2.6
  Bottom Copper w0.101: J9.37@37.925,-5.625 37.925,-6.25 37.789,-6.386 37.789,-7.131 37.8,-7.141 37.8,-7.725 38.025,-7.95 R38.2@38.075,-7.95 ; R38.2@37.975,-7.85 R38.2@38.025,-7.85
PET0_P: J9.35 R37.2 | length 2.6
  Bottom Copper w0.101: R37.2@37.247,-7.851 R37.2@37.297,-7.851 ; R37.2@37.297,-7.951 37.347,-7.951 37.572,-7.726 37.572,-7.236 37.561,-7.225 37.561,-6.386 37.425,-6.25 J9.35@37.425,-5.625
PET1_N: J9.61 R50.2 | length 2.4
  Bottom Copper w0.101: J9.61@43.925,-5.625 43.925,-6.25 43.789,-6.386 43.789,-7.616 43.848,-7.676 43.901,-7.676 R50.2@44.075,-7.85
PET1_P: J9.59 R48.2 | length 2.4
  Bottom Copper w0.101: R48.2@43.275,-7.85 43.45,-7.676 43.502,-7.676 43.561,-7.616 43.561,-6.386 43.425,-6.25 J9.59@43.425,-5.625
PLLFILT: C149.2 U21.25 | length 1.1
  Top Copper w0.102: U21.25@28.65,24.65 28.671,24.629 28.671,24.179 28.847,24.003 28.847,23.753 C149.2@28.95,23.65
PSEL: R193.2 R194.2 U8.2 | length 3.1
  Bottom Copper w0.102: R193.2@-48.15,4.8 -48.15,4.85 -47.75,5.25 -46.9,5.25 -46.55,4.9 R194.2@-46.4,4.9
  Bottom Copper w0.3: R194.2@-46.4,4.8 -46.25,4.8 -46.15,4.7 U8.2@-45.435,4.7
PWDNB: J13.28 TP4.1 | length 1.4
  Bottom Copper w0.127: J13.28@-20.375,-13.4 -20.375,-12.925 v1(-19.752,-12.302)
PWM_0: J5.32 R169.1 U2.5 | length 4.5
  Top Copper w0.102: 12.268,9.482 12.068,9.482 U2.5@12.05,9.5 12.6,9.5 12.95,9.85 R169.1@13,9.85 13,10.8 13.9,11.7 J5.32@14.838,11.7
PWM_1: J5.30 R186.1 U3.5 | length 22.1
  Top Copper w0.102: U3.5@-4.75,9.5 -4.75,9.868 -4.437,10.182 v1(-3.85,10.182) -3.85,9.4 R186.1@-3.8,9.35 ; v1@2.52,10.357 3.663,11.5 13.3,11.5 13.899,12.099 J5.30@15.092,12.099
  Bottom Copper w0.102: v1(-3.85,10.182) -3.801,10.133 2.324,10.133 2.569,10.377 v1(2.569,10.406)
PWR_LCD: C168.2 C169.2 C172.2 FB7.2 FB19.2 J18.11 R180.2 R181.2 R182.2 TP24.1 U25.19 | length 21.8
  Top Copper w0.2: v1(21.5,-38.1) C168.2@21.9,-38.5 R182.2@21.9,-37.65 ; C169.2@22.9,-38.5 22.95,-38.45 R181.2@23.9,-38.45 R180.2@24.8,-38.45 ; 24.383,-35.65 24.5,-35.533 24.5,-33.1 C172.2@27.1,-30.5 26.469,-30.5 26.269,-30.7 25.637,-30.7 25.52,-30.583 25.52,-30.22 U25.19@25.5,-30.2 ; FB7.2@25.7,-35.65 FB7.2@25.8,-35.65
  Top Copper w0.5: C168.2@21.9,-38.5 C169.2@22.9,-38.5 22.9,-37.4 23.4,-36.9 FB19.2@23.4,-35.65 24.383,-35.65 FB7.2@25.7,-35.65
  Bottom Copper w0.2: TP24.1@20.95,-35.6 20.95,-36.4 21.537,-36.987 21.537,-38.1 J18.11@21.537,-39.022
REF_CLK_SS0: R104.2 R110.1 U14.7 | length 3.5
  Top Copper w0.127: R104.2@26.25,4.85 R110.1@26.25,5.75 ; R104.2@26.275,4.907 26.275,4.925 26.412,5.061 26.43,5.061 26.668,5.3 27.525,5.3 28.059,4.766 28.059,4.586 28.145,4.5 U14.7@28.275,4.5
REF_CLK_SS1: R105.2 R111.1 U14.8 | length 3.6
  Top Copper w0.127: R105.2@26.25,3.85 26.25,2.75 R111.1@26.3,2.7 ; R105.2@26.275,3.85 26.275,3.9 26.437,4.062 26.487,4.062 26.775,4.35 27.425,4.35 27.689,4.086 28.189,4.086 U14.8@28.275,4
REGN: C161.2 R73.1 R187.2 U8.22 | length 13.9
  Top Copper w0.102: R187.2@-42.85,9.55 -42.836,9.536 -42.611,9.536 -42.575,9.5 -41.95,9.5 R73.1@-41.9,9.55 ; -42.574,9.5 -42.574,9.224 v1(-42.55,9.2)
  Signal Layer 1 w0.5: v1(-44,1.352) -44,4.15 -45.1,5.25 -45.1,8.35 -44.271,9.179 -42.571,9.179 v1(-42.55,9.2)
  Bottom Copper w0.27: C161.2@-44,2.05 -43.878,2.172 -43.878,2.647 -43.755,2.77 -43.755,3.51 U8.22@-43.75,3.515
  Bottom Copper w0.5: v1(-44,1.352) C161.2@-44,2.05
RESET: C148.2 R175.1 U21.17 | length 3.4
  Top Copper w0.127: C148.2@23.65,27.5 24.111,27.961 24.957,27.961 25.347,27.571 R175.1@25.347,27.521 ; R175.1@25.3,27.45 25.3,27.35 25.377,27.427 U21.17@26.452,27.427
RESET_LCD: J5.44 U25.6 | length 43.2
  Top Copper w0.102: J5.44@15.092,9.299 15.116,9.323 15.52,9.323 15.873,9.676 v1(16.323,9.676) ; v1(19.928,9.774) 19.926,9.772 19.926,7.624 22.55,5 22.55,0.662 22.546,0.658 22.546,-23.946 23.5,-24.9 U25.6@23.5,-26.9
  Bottom Copper w0.102: v1(16.323,9.676) 17.744,9.676 17.874,9.806 18.865,9.806 18.868,9.809 19.332,9.809 19.335,9.806 19.896,9.806 v1(19.928,9.774)
RESET_LCD_CONN: J18.7 TP20.1 U25.15 | length 9.4
  Top Copper w0.102: v1(23,-31.5) 23.5,-31 U25.15@23.5,-30.2
  Bottom Copper w0.102: v1(23,-31.5) 22.7,-31.8 22.7,-34.859 TP20.1@23.412,-35.572 ; TP20.1@23.456,-35.703 23.412,-35.747 23.6,-35.935 23.6,-38.959 J18.7@23.537,-39.022
RLS+: C124.1 U19.23 | length 2.5
  Bottom Copper w0.3: U19.23@-24.807,19.937 -24.782,19.962 -24.782,20.312 -23.881,21.213 -23.281,21.213 C124.1@-23.102,21.392
RLS-: C123.1 U19.22 | length 3.5
  Bottom Copper w0.3: U19.22@-25.307,19.937 -25.282,19.962 -25.282,20.456 -24.84,20.898 -24.84,21.734 -24.315,22.259 -23.907,22.259 -23.643,22.523 C123.1@-23.643,22.551
RST_BTN: J1.56 TP28.1 | length 15.9
  Top Copper w0.102: J1.56@0.632,23.359 0.643,23.37 0.643,23.8 0.791,23.948 8.046,23.948 10.45,26.352 10.45,27.581 9.731,28.3 TP28.1@7.4,28.3
RTC_D1: J1.1
RXB_N: J11.B10 U12.15 | length 3.5
  Top Copper w0.14: J11.B10@-1.875,30.5 -1.875,30.275 -1.991,30.158 -1.991,29.767 -1.244,29.019 -1.244,28.462 v1(-1.104,28.322)
  Bottom Copper w0.14: U12.15@-1.125,27.55 -1.125,27.725 -1.241,27.841 -1.241,28.112 -1.104,28.25 v1(-1.104,28.322)
RXB_P: J11.B11 U12.14 | length 3.4
  Top Copper w0.14: J11.B11@-2.375,30.5 -2.375,30.275 -2.258,30.158 -2.258,29.656 -1.511,28.908 -1.511,28.412 v1(-1.601,28.322)
  Bottom Copper w0.14: U12.14@-1.625,27.55 -1.625,27.725 -1.508,27.841 -1.508,28.158 -1.601,28.25 v1(-1.601,28.322)
RXC_N: J11.A10 U12.18 | length 8.3
  Top Copper w0.14: J11.A10@1.875,32.01 1.875,32.235 2.008,32.368 2.008,32.844 1.894,32.958 v1(1.894,33.03)
  Bottom Copper w0.14: U12.18@0.375,27.55 0.375,27.643 cw(c0.574,27.643) U12.18@0.433,27.783 ; U12.18@0.433,27.783 ccw(c0.293,27.924) 0.491,27.924 cw(c1.023,27.924) 0.647,28.3 1.027,28.679 1.742,28.679 2.754,29.691 2.754,31.571 2.008,32.317 2.008,32.844 1.894,32.958 v1(1.894,33.03)